# EAGLE board 14202-RedBoard-Panel (EAGLE 9.0.1), part 5 of 6 (continued)
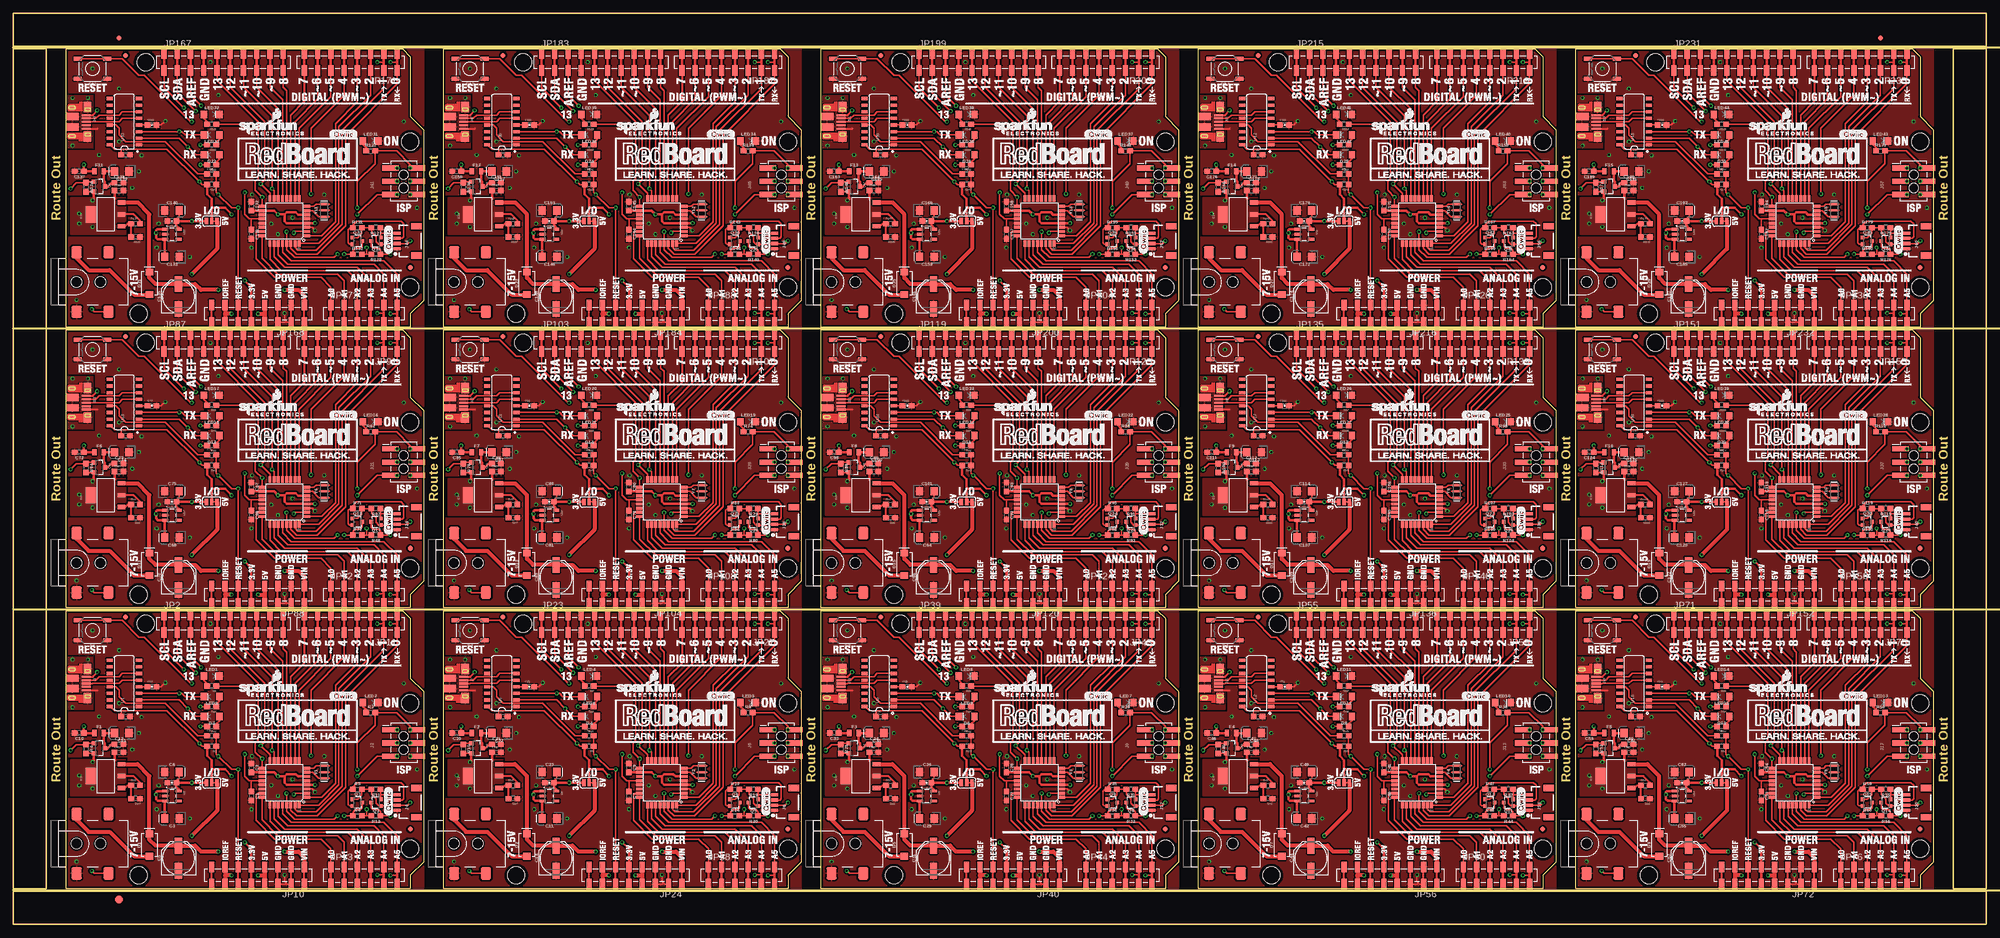
[diagram p0: board, top side]
## Tracks (layer width: path | path; a pad name or v marks a point on that pad's centre or on a via) (continued)
  Bottom 0.305: v214.63,111.51 213.36,110.24 179.07,110.24 175.26,106.43 175.26,100.08 176.66,98.68 v176.66,98.17
TX-O8  (via drill 0.38)
  Top 0.254: JP139.2A JP139.2B
  Top 0.305: U25.31 271.24,75.98 271.78,75.44 275.34,75.44 280.29,80.39 280.29,98.42 288.29,106.43 JP139.2B | v287.02,111.51 288.29,111.51 JP139.2A | LED27.C 250.19,97.54 249.56,98.17 v249.05,98.17 U27.3
  Bottom 0.305: v287.02,111.51 285.75,110.24 251.46,110.24 247.65,106.43 247.65,100.08 249.05,98.68 v249.05,98.17
TX-O9  (via drill 0.38)
  Top 0.254: JP155.2A JP155.2B
  Top 0.305: U28.31 343.63,75.98 344.17,75.44 347.73,75.44 352.68,80.39 352.68,98.42 360.68,106.43 JP155.2B | v359.41,111.51 360.68,111.51 JP155.2A | LED30.C 322.58,97.54 321.95,98.17 v321.44,98.17 U30.3
  Bottom 0.305: v359.41,111.51 358.14,110.24 323.85,110.24 320.04,106.43 320.04,100.08 321.44,98.68 v321.44,98.17
TX-O10  (via drill 0.38)
  Top 0.254: JP171.2A JP171.2B
  Top 0.305: U31.31 54.07,129.83 54.61,129.29 58.17,129.29 63.12,134.24 63.12,152.27 71.12,160.27 JP171.2B | v69.85,165.35 71.12,165.35 JP171.2A | LED33.C 33.02,151.38 32.39,152.02 v31.88,152.02 U33.3
  Bottom 0.305: v69.85,165.35 68.58,164.08 34.29,164.08 30.48,160.27 30.48,153.92 31.88,152.53 v31.88,152.02
TX-O11  (via drill 0.38)
  Top 0.254: JP187.2A JP187.2B
  Top 0.305: U34.31 126.46,129.83 127,129.29 130.56,129.29 135.51,134.24 135.51,152.27 143.51,160.27 JP187.2B | v142.24,165.35 143.51,165.35 JP187.2A | LED36.C 105.41,151.38 104.77,152.02 v104.27,152.02 U36.3
  Bottom 0.305: v142.24,165.35 140.97,164.08 106.68,164.08 102.87,160.27 102.87,153.92 104.27,152.53 v104.27,152.02
TX-O12  (via drill 0.38)
  Top 0.254: JP203.2A JP203.2B
  Top 0.305: U37.31 198.85,129.83 199.39,129.29 202.95,129.29 207.9,134.24 207.9,152.27 215.9,160.27 JP203.2B | v214.63,165.35 215.9,165.35 JP203.2A | LED39.C 177.8,151.38 177.16,152.02 v176.66,152.02 U39.3
  Bottom 0.305: v214.63,165.35 213.36,164.08 179.07,164.08 175.26,160.27 175.26,153.92 176.66,152.53 v176.66,152.02
TX-O13  (via drill 0.38)
  Top 0.254: JP219.2A JP219.2B
  Top 0.305: U40.31 271.24,129.83 271.78,129.29 275.34,129.29 280.29,134.24 280.29,152.27 288.29,160.27 JP219.2B | v287.02,165.35 288.29,165.35 JP219.2A | LED42.C 250.19,151.38 249.56,152.02 v249.05,152.02 U42.3
  Bottom 0.305: v287.02,165.35 285.75,164.08 251.46,164.08 247.65,160.27 247.65,153.92 249.05,152.53 v249.05,152.02
TX-O14  (via drill 0.38)
  Top 0.254: JP235.2A JP235.2B
  Top 0.305: U43.31 343.63,129.83 344.17,129.29 347.73,129.29 352.68,134.24 352.68,152.27 360.68,160.27 JP235.2B | v359.41,165.35 360.68,165.35 JP235.2A | LED45.C 322.58,151.38 321.95,152.02 v321.44,152.02 U45.3
  Bottom 0.305: v359.41,165.35 358.14,164.08 323.85,164.08 320.04,160.27 320.04,153.92 321.44,152.53 v321.44,152.02
USBVCC
  Top 0.508: C15.+ F1.2 17.41,34.91 17.61,34.71 Q1.3 18.16,33.78 18.92,34.54 C12.1
USBVCC1
  Top 0.508: C22.+ F2.2 89.8,34.91 90,34.71 Q4.3 90.55,33.78 91.31,34.54 C21.1
USBVCC2
  Top 0.508: C35.+ F3.2 162.19,34.91 162.39,34.71 Q7.3 162.94,33.78 163.7,34.54 C34.1
USBVCC3
  Top 0.508: C48.+ F4.2 234.58,34.91 234.78,34.71 Q10.3 235.33,33.78 236.09,34.54 C47.1
USBVCC4
  Top 0.508: C61.+ F5.2 306.97,34.91 307.17,34.71 Q13.3 307.72,33.78 308.48,34.54 C60.1
USBVCC5
  Top 0.508: C74.+ F6.2 17.41,88.76 17.61,88.56 Q16.3 18.16,87.63 18.92,88.39 C73.1
USBVCC6
  Top 0.508: C87.+ F7.2 89.8,88.76 90,88.56 Q19.3 90.55,87.63 91.31,88.39 C86.1
USBVCC7
  Top 0.508: C100.+ F8.2 162.19,88.76 162.39,88.56 Q22.3 162.94,87.63 163.7,88.39 C99.1
USBVCC8
  Top 0.508: C113.+ F9.2 234.58,88.76 234.78,88.56 Q25.3 235.33,87.63 236.09,88.39 C112.1
USBVCC9
  Top 0.508: C126.+ F10.2 306.97,88.76 307.17,88.56 Q28.3 307.72,87.63 308.48,88.39 C125.1
USBVCC10
  Top 0.508: C139.+ F11.2 17.41,142.61 17.61,142.41 Q31.3 18.16,141.48 18.92,142.24 C138.1
USBVCC11
  Top 0.508: C152.+ F12.2 89.8,142.61 90,142.41 Q34.3 90.55,141.48 91.31,142.24 C151.1
USBVCC12
  Top 0.508: C165.+ F13.2 162.19,142.61 162.39,142.41 Q37.3 162.94,141.48 163.7,142.24 C164.1
USBVCC13
  Top 0.508: C178.+ F14.2 234.58,142.61 234.78,142.41 Q40.3 235.33,141.48 236.09,142.24 C177.1
USBVCC14
  Top 0.508: C191.+ F15.2 306.97,142.61 307.17,142.41 Q43.3 307.72,141.48 308.48,142.24 C190.1
VCC  (via drill 0.38)
  Top 0.305: v66.04,29.72 66.04,34.8 69.43,38.19 R2.2 73.53,40.64 76.2,37.97 TP1.P$1 J2.2 | R3.2 36.32,34.16 v35.75,34.73 29.5,40.98 20.74,40.98 | R6.2 67.82,20.83 | 67.82,20.83 R13.2 | v67.82,22.1 67.82,20.83 | C18.1 20.74,40.98 | R12.2 v35.94,37.97 | R16.2 v35.94,41.78 | U1.16 18.67,41.78 19.47,40.98 20.74,40.98
  Top 0.508: U4.6 54.68,28.38 54.23,28.83 52.45,28.83 52.07,28.45 | C2.2 U4.18 50.07,29.18 v50.8,28.45 52.07,28.45 | v57.93,26.78 U4.4 52.47,26.78 52.07,27.18 52.07,28.45 | v41.91,28.45 40.64,29.72 38.1,29.72 | I/O.2 38.1,29.72 | R3.2 37.25,32.35 38.1,31.5 38.1,29.72
  Bottom 0.305: v57.93,26.78 63.1,26.78 v66.04,29.72 67.31,29.72 67.82,29.21 v67.82,22.1 | v35.94,41.78 v35.94,37.97 35.94,34.92 v35.75,34.73
  Bottom 0.508: v50.8,28.45 v41.91,28.45
  other vias: 76.2,37.34
VCC1  (via drill 0.38)
  Top 0.305: v138.43,29.72 138.43,34.8 141.82,38.19 R8.2 145.92,40.64 148.59,37.97 TP7.P$1 J5.2 | R9.2 108.71,34.16 v108.14,34.73 101.89,40.98 93.13,40.98 | R24.2 140.21,20.83 | 140.21,20.83 R20.2 | v140.21,22.1 140.21,20.83 | C26.1 93.13,40.98 | R21.2 v108.33,37.97 | R22.2 v108.33,41.78 | U6.16 91.06,41.78 91.86,40.98 93.13,40.98
  Top 0.508: U2.6 127.07,28.38 126.62,28.83 124.84,28.83 124.46,28.45 | C9.2 U2.18 122.46,29.18 v123.19,28.45 124.46,28.45 | v130.32,26.78 U2.4 124.86,26.78 124.46,27.18 124.46,28.45 | v114.3,28.45 113.03,29.72 110.49,29.72 | I/O1.2 110.49,29.72 | R9.2 109.64,32.35 110.49,31.5 110.49,29.72
  Bottom 0.305: v130.32,26.78 135.49,26.78 v138.43,29.72 139.7,29.72 140.21,29.21 v140.21,22.1 | v108.33,41.78 v108.33,37.97 108.33,34.92 v108.14,34.73
  Bottom 0.508: v123.19,28.45 v114.3,28.45
  other vias: 148.59,37.34
VCC2  (via drill 0.38)
  Top 0.305: v210.82,29.72 210.82,34.8 214.21,38.19 R26.2 218.31,40.64 220.98,37.97 TP13.P$1 J9.2 | R27.2 181.1,34.16 v180.53,34.73 174.28,40.98 165.52,40.98 | R36.2 212.6,20.83 | 212.6,20.83 R32.2 | v212.6,22.1 212.6,20.83 | C39.1 165.52,40.98 | R33.2 v180.72,37.97 | R34.2 v180.72,41.78 | U9.16 163.45,41.78 164.25,40.98 165.52,40.98
  Top 0.508: U7.6 199.46,28.38 199.01,28.83 197.23,28.83 196.85,28.45 | C28.2 U7.18 194.85,29.18 v195.58,28.45 196.85,28.45 | v202.71,26.78 U7.4 197.25,26.78 196.85,27.18 196.85,28.45 | v186.69,28.45 185.42,29.72 182.88,29.72 | I/O2.2 182.88,29.72 | R27.2 182.03,32.35 182.88,31.5 182.88,29.72
  Bottom 0.305: v202.71,26.78 207.88,26.78 v210.82,29.72 212.09,29.72 212.6,29.21 v212.6,22.1 | v180.72,41.78 v180.72,37.97 180.72,34.92 v180.53,34.73
  Bottom 0.508: v195.58,28.45 v186.69,28.45
  other vias: 220.98,37.34
VCC3  (via drill 0.38)
  Top 0.305: v283.21,29.72 283.21,34.8 286.6,38.19 R38.2 290.7,40.64 293.37,37.97 TP19.P$1 J13.2 | R39.2 253.49,34.16 v252.92,34.73 246.67,40.98 237.91,40.98 | R48.2 284.99,20.83 | 284.99,20.83 R44.2 | v284.99,22.1 284.99,20.83 | C52.1 237.91,40.98 | R45.2 v253.11,37.97 | R46.2 v253.11,41.78 | U12.16 235.84,41.78 236.64,40.98 237.91,40.98
  Top 0.508: U10.6 271.85,28.38 271.4,28.83 269.62,28.83 269.24,28.45 | C41.2 U10.18 267.24,29.18 v267.97,28.45 269.24,28.45 | v275.1,26.78 U10.4 269.64,26.78 269.24,27.18 269.24,28.45 | v259.08,28.45 257.81,29.72 255.27,29.72 | I/O3.2 255.27,29.72 | R39.2 254.42,32.35 255.27,31.5 255.27,29.72
  Bottom 0.305: v275.1,26.78 280.27,26.78 v283.21,29.72 284.48,29.72 284.99,29.21 v284.99,22.1 | v253.11,41.78 v253.11,37.97 253.11,34.92 v252.92,34.73
  Bottom 0.508: v267.97,28.45 v259.08,28.45
  other vias: 293.37,37.34
VCC4  (via drill 0.38)
  Top 0.305: v355.6,29.72 355.6,34.8 358.99,38.19 R50.2 363.09,40.64 365.76,37.97 TP25.P$1 J17.2 | R51.2 325.88,34.16 v325.31,34.73 319.06,40.98 310.3,40.98 | R60.2 357.38,20.83 | 357.38,20.83 R56.2 | v357.38,22.1 357.38,20.83 | C65.1 310.3,40.98 | R57.2 v325.5,37.97 | R58.2 v325.5,41.78 | U15.16 308.23,41.78 309.03,40.98 310.3,40.98
  Top 0.508: U13.6 344.24,28.38 343.79,28.83 342.01,28.83 341.63,28.45 | C54.2 U13.18 339.63,29.18 v340.36,28.45 341.63,28.45 | v347.49,26.78 U13.4 342.03,26.78 341.63,27.18 341.63,28.45 | v331.47,28.45 330.2,29.72 327.66,29.72 | I/O4.2 327.66,29.72 | R51.2 326.81,32.35 327.66,31.5 327.66,29.72
  Bottom 0.305: v347.49,26.78 352.66,26.78 v355.6,29.72 356.87,29.72 357.38,29.21 v357.38,22.1 | v325.5,41.78 v325.5,37.97 325.5,34.92 v325.31,34.73
  Bottom 0.508: v340.36,28.45 v331.47,28.45
  other vias: 365.76,37.34
VCC5  (via drill 0.38)
  Top 0.305: v66.04,83.57 66.04,88.65 69.43,92.04 R62.2 73.53,94.49 76.2,91.82 TP31.P$1 J21.2 | R63.2 36.32,88.01 v35.75,88.58 29.5,94.83 20.74,94.83 | R72.2 67.82,74.68 | 67.82,74.68 R68.2 | v67.82,75.95 67.82,74.68 | C78.1 20.74,94.83 | R69.2 v35.94,91.82 | R70.2 v35.94,95.63 | U18.16 18.67,95.63 19.47,94.83 20.74,94.83
  Top 0.508: U16.6 54.68,82.23 54.23,82.68 52.45,82.68 52.07,82.3 | C67.2 U16.18 50.07,83.03 v50.8,82.3 52.07,82.3 | v57.93,80.63 U16.4 52.47,80.63 52.07,81.03 52.07,82.3 | v41.91,82.3 40.64,83.57 38.1,83.57 | I/O5.2 38.1,83.57 | R63.2 37.25,86.19 38.1,85.34 38.1,83.57
  Bottom 0.305: v57.93,80.63 63.1,80.63 v66.04,83.57 67.31,83.57 67.82,83.06 v67.82,75.95 | v35.94,95.63 v35.94,91.82 35.94,88.77 v35.75,88.58
  Bottom 0.508: v50.8,82.3 v41.91,82.3
  other vias: 76.2,91.19
VCC6  (via drill 0.38)
  Top 0.305: v138.43,83.57 138.43,88.65 141.82,92.04 R74.2 145.92,94.49 148.59,91.82 TP37.P$1 J25.2 | R75.2 108.71,88.01 v108.14,88.58 101.89,94.83 93.13,94.83 | R84.2 140.21,74.68 | 140.21,74.68 R80.2 | v140.21,75.95 140.21,74.68 | C91.1 93.13,94.83 | R81.2 v108.33,91.82 | R82.2 v108.33,95.63 | U21.16 91.06,95.63 91.86,94.83 93.13,94.83
  Top 0.508: U19.6 127.07,82.23 126.62,82.68 124.84,82.68 124.46,82.3 | C80.2 U19.18 122.46,83.03 v123.19,82.3 124.46,82.3 | v130.32,80.63 U19.4 124.86,80.63 124.46,81.03 124.46,82.3 | v114.3,82.3 113.03,83.57 110.49,83.57 | I/O6.2 110.49,83.57 | R75.2 109.64,86.19 110.49,85.34 110.49,83.57
  Bottom 0.305: v130.32,80.63 135.49,80.63 v138.43,83.57 139.7,83.57 140.21,83.06 v140.21,75.95 | v108.33,95.63 v108.33,91.82 108.33,88.77 v108.14,88.58
  Bottom 0.508: v123.19,82.3 v114.3,82.3
  other vias: 148.59,91.19
VCC7  (via drill 0.38)
  Top 0.305: v210.82,83.57 210.82,88.65 214.21,92.04 R86.2 218.31,94.49 220.98,91.82 TP43.P$1 J29.2 | R87.2 181.1,88.01 v180.53,88.58 174.28,94.83 165.52,94.83 | R96.2 212.6,74.68 | 212.6,74.68 R92.2 | v212.6,75.95 212.6,74.68 | C104.1 165.52,94.83 | R93.2 v180.72,91.82 | R94.2 v180.72,95.63 | U24.16 163.45,95.63 164.25,94.83 165.52,94.83
  Top 0.508: U22.6 199.46,82.23 199.01,82.68 197.23,82.68 196.85,82.3 | C93.2 U22.18 194.85,83.03 v195.58,82.3 196.85,82.3 | v202.71,80.63 U22.4 197.25,80.63 196.85,81.03 196.85,82.3 | v186.69,82.3 185.42,83.57 182.88,83.57 | I/O7.2 182.88,83.57 | R87.2 182.03,86.19 182.88,85.34 182.88,83.57
  Bottom 0.305: v202.71,80.63 207.88,80.63 v210.82,83.57 212.09,83.57 212.6,83.06 v212.6,75.95 | v180.72,95.63 v180.72,91.82 180.72,88.77 v180.53,88.58
  Bottom 0.508: v195.58,82.3 v186.69,82.3
  other vias: 220.98,91.19
VCC8  (via drill 0.38)
  Top 0.305: v283.21,83.57 283.21,88.65 286.6,92.04 R98.2 290.7,94.49 293.37,91.82 TP49.P$1 J33.2 | R99.2 253.49,88.01 v252.92,88.58 246.67,94.83 237.91,94.83 | R108.2 284.99,74.68 | 284.99,74.68 R104.2 | v284.99,75.95 284.99,74.68 | C117.1 237.91,94.83 | R105.2 v253.11,91.82 | R106.2 v253.11,95.63 | U27.16 235.84,95.63 236.64,94.83 237.91,94.83
  Top 0.508: U25.6 271.85,82.23 271.4,82.68 269.62,82.68 269.24,82.3 | C106.2 U25.18 267.24,83.03 v267.97,82.3 269.24,82.3 | v275.1,80.63 U25.4 269.64,80.63 269.24,81.03 269.24,82.3 | v259.08,82.3 257.81,83.57 255.27,83.57 | I/O8.2 255.27,83.57 | R99.2 254.42,86.19 255.27,85.34 255.27,83.57
  Bottom 0.305: v275.1,80.63 280.27,80.63 v283.21,83.57 284.48,83.57 284.99,83.06 v284.99,75.95 | v253.11,95.63 v253.11,91.82 253.11,88.77 v252.92,88.58
  Bottom 0.508: v267.97,82.3 v259.08,82.3
  other vias: 293.37,91.19
VCC9  (via drill 0.38)
  Top 0.305: v355.6,83.57 355.6,88.65 358.99,92.04 R110.2 363.09,94.49 365.76,91.82 TP55.P$1 J37.2 | R111.2 325.88,88.01 v325.31,88.58 319.06,94.83 310.3,94.83 | R120.2 357.38,74.68 | 357.38,74.68 R116.2 | v357.38,75.95 357.38,74.68 | C130.1 310.3,94.83 | R117.2 v325.5,91.82 | R118.2 v325.5,95.63 | U30.16 308.23,95.63 309.03,94.83 310.3,94.83
  Top 0.508: U28.6 344.24,82.23 343.79,82.68 342.01,82.68 341.63,82.3 | C119.2 U28.18 339.63,83.03 v340.36,82.3 341.63,82.3 | v347.49,80.63 U28.4 342.03,80.63 341.63,81.03 341.63,82.3 | v331.47,82.3 330.2,83.57 327.66,83.57 | I/O9.2 327.66,83.57 | R111.2 326.81,86.19 327.66,85.34 327.66,83.57
  Bottom 0.305: v347.49,80.63 352.66,80.63 v355.6,83.57 356.87,83.57 357.38,83.06 v357.38,75.95 | v325.5,95.63 v325.5,91.82 325.5,88.77 v325.31,88.58
  Bottom 0.508: v340.36,82.3 v331.47,82.3
  other vias: 365.76,91.19
VCC10  (via drill 0.38)
  Top 0.305: v66.04,137.41 66.04,142.49 69.43,145.88 R122.2 73.53,148.34 76.2,145.67 TP61.P$1 J41.2 | R123.2 36.32,141.86 v35.75,142.43 29.5,148.68 20.74,148.68 | R132.2 67.82,128.52 | 67.82,128.52 R128.2 | v67.82,129.79 67.82,128.52 | C143.1 20.74,148.68 | R129.2 v35.94,145.67 | R130.2 v35.94,149.48 | U33.16 18.67,149.48 19.47,148.68 20.74,148.68
  Top 0.508: U31.6 54.68,136.07 54.23,136.53 52.45,136.53 52.07,136.14 | C132.2 U31.18 50.07,136.87 v50.8,136.14 52.07,136.14 | v57.93,134.47 U31.4 52.47,134.47 52.07,134.87 52.07,136.14 | v41.91,136.14 40.64,137.41 38.1,137.41 | I/O10.2 38.1,137.41 | R123.2 37.25,140.04 38.1,139.19 38.1,137.41
  Bottom 0.305: v57.93,134.47 63.1,134.47 v66.04,137.41 67.31,137.41 67.82,136.91 v67.82,129.79 | v35.94,149.48 v35.94,145.67 35.94,142.62 v35.75,142.43
  Bottom 0.508: v50.8,136.14 v41.91,136.14
  other vias: 76.2,145.03
VCC11  (via drill 0.38)
  Top 0.305: v138.43,137.41 138.43,142.49 141.82,145.88 R134.2 145.92,148.34 148.59,145.67 TP67.P$1 J45.2 | R135.2 108.71,141.86 v108.14,142.43 101.89,148.68 93.13,148.68 | R144.2 140.21,128.52 | 140.21,128.52 R140.2 | v140.21,129.79 140.21,128.52 | C156.1 93.13,148.68 | R141.2 v108.33,145.67 | R142.2 v108.33,149.48 | U36.16 91.06,149.48 91.86,148.68 93.13,148.68
  Top 0.508: U34.6 127.07,136.07 126.62,136.53 124.84,136.53 124.46,136.14 | C145.2 U34.18 122.46,136.87 v123.19,136.14 124.46,136.14 | v130.32,134.47 U34.4 124.86,134.47 124.46,134.87 124.46,136.14 | v114.3,136.14 113.03,137.41 110.49,137.41 | I/O11.2 110.49,137.41 | R135.2 109.64,140.04 110.49,139.19 110.49,137.41
  Bottom 0.305: v130.32,134.47 135.49,134.47 v138.43,137.41 139.7,137.41 140.21,136.91 v140.21,129.79 | v108.33,149.48 v108.33,145.67 108.33,142.62 v108.14,142.43
  Bottom 0.508: v123.19,136.14 v114.3,136.14
  other vias: 148.59,145.03
VCC12  (via drill 0.38)
  Top 0.305: v210.82,137.41 210.82,142.49 214.21,145.88 R146.2 218.31,148.34 220.98,145.67 TP73.P$1 J49.2 | R147.2 181.1,141.86 v180.53,142.43 174.28,148.68 165.52,148.68 | R156.2 212.6,128.52 | 212.6,128.52 R152.2 | v212.6,129.79 212.6,128.52 | C169.1 165.52,148.68 | R153.2 v180.72,145.67 | R154.2 v180.72,149.48 | U39.16 163.45,149.48 164.25,148.68 165.52,148.68
  Top 0.508: U37.6 199.46,136.07 199.01,136.53 197.23,136.53 196.85,136.14 | C158.2 U37.18 194.85,136.87 v195.58,136.14 196.85,136.14 | v202.71,134.47 U37.4 197.25,134.47 196.85,134.87 196.85,136.14 | v186.69,136.14 185.42,137.41 182.88,137.41 | I/O12.2 182.88,137.41 | R147.2 182.03,140.04 182.88,139.19 182.88,137.41
  Bottom 0.305: v202.71,134.47 207.88,134.47 v210.82,137.41 212.09,137.41 212.6,136.91 v212.6,129.79 | v180.72,149.48 v180.72,145.67 180.72,142.62 v180.53,142.43
  Bottom 0.508: v195.58,136.14 v186.69,136.14
  other vias: 220.98,145.03
VCC13  (via drill 0.38)
  Top 0.305: v283.21,137.41 283.21,142.49 286.6,145.88 R158.2 290.7,148.34 293.37,145.67 TP79.P$1 J53.2 | R159.2 253.49,141.86 v252.92,142.43 246.67,148.68 237.91,148.68 | R168.2 284.99,128.52 | 284.99,128.52 R164.2 | v284.99,129.79 284.99,128.52 | C182.1 237.91,148.68 | R165.2 v253.11,145.67 | R166.2 v253.11,149.48 | U42.16 235.84,149.48 236.64,148.68 237.91,148.68
  Top 0.508: U40.6 271.85,136.07 271.4,136.53 269.62,136.53 269.24,136.14 | C171.2 U40.18 267.24,136.87 v267.97,136.14 269.24,136.14 | v275.1,134.47 U40.4 269.64,134.47 269.24,134.87 269.24,136.14 | v259.08,136.14 257.81,137.41 255.27,137.41 | I/O13.2 255.27,137.41 | R159.2 254.42,140.04 255.27,139.19 255.27,137.41
  Bottom 0.305: v275.1,134.47 280.27,134.47 v283.21,137.41 284.48,137.41 284.99,136.91 v284.99,129.79 | v253.11,149.48 v253.11,145.67 253.11,142.62 v252.92,142.43
  Bottom 0.508: v267.97,136.14 v259.08,136.14
  other vias: 293.37,145.03
VCC14  (via drill 0.38)
  Top 0.305: v355.6,137.41 355.6,142.49 358.99,145.88 R170.2 363.09,148.34 365.76,145.67 TP85.P$1 J57.2 | R171.2 325.88,141.86 v325.31,142.43 319.06,148.68 310.3,148.68 | R180.2 357.38,128.52 | 357.38,128.52 R176.2 | v357.38,129.79 357.38,128.52 | C195.1 310.3,148.68 | R177.2 v325.5,145.67 | R178.2 v325.5,149.48 | U45.16 308.23,149.48 309.03,148.68 310.3,148.68
  Top 0.508: U43.6 344.24,136.07 343.79,136.53 342.01,136.53 341.63,136.14 | C184.2 U43.18 339.63,136.87 v340.36,136.14 341.63,136.14 | v347.49,134.47 U43.4 342.03,134.47 341.63,134.87 341.63,136.14 | v331.47,136.14 330.2,137.41 327.66,137.41 | I/O14.2 327.66,137.41 | R171.2 326.81,140.04 327.66,139.19 327.66,137.41
  Bottom 0.305: v347.49,134.47 352.66,134.47 v355.6,137.41 356.87,137.41 357.38,136.91 v357.38,129.79 | v325.5,149.48 v325.5,145.67 325.5,142.62 v325.31,142.43
  Bottom 0.508: v340.36,136.14 v331.47,136.14
  other vias: 365.76,145.03
VIN  (via drill 0.38)
  Top 0.305: JP10.1 55.88,11.05
  Top 0.762: v39.36,13.96 36.06,13.96 34.92,15.1 C5.+ 27.32,15.1 26.16,16.26 D1.C 26.16,28.45 23.88,30.74 IC3.3
  Top 0.813: v52.06,13.96 54.75,13.96 55.88,12.83 55.88,11.05
  Bottom 0.813: v39.36,13.96 v52.06,13.96
VIN1  (via drill 0.38)
  Top 0.305: JP24.1 128.27,11.05
  Top 0.762: v111.75,13.96 108.45,13.96 107.31,15.1 C14.+ 99.71,15.1 98.55,16.26 D2.C 98.55,28.45 96.27,30.74 IC1.3
  Top 0.813: v124.45,13.96 127.14,13.96 128.27,12.83 128.27,11.05
  Bottom 0.813: v111.75,13.96 v124.45,13.96
VIN2  (via drill 0.38)
  Top 0.305: JP40.1 200.66,11.05
  Top 0.762: v184.14,13.96 180.84,13.96 179.7,15.1 C31.+ 172.1,15.1 170.94,16.26 D5.C 170.94,28.45 168.66,30.74 IC2.3
  Top 0.813: v196.84,13.96 199.53,13.96 200.66,12.83 200.66,11.05
  Bottom 0.813: v184.14,13.96 v196.84,13.96
VIN3  (via drill 0.38)
  Top 0.305: JP56.1 273.05,11.05
  Top 0.762: v256.53,13.96 253.23,13.96 252.09,15.1 C44.+ 244.49,15.1 243.33,16.26 D7.C 243.33,28.45 241.05,30.74 IC4.3
  Top 0.813: v269.23,13.96 271.92,13.96 273.05,12.83 273.05,11.05
  Bottom 0.813: v256.53,13.96 v269.23,13.96
VIN4  (via drill 0.38)
  Top 0.305: JP72.1 345.44,11.05
  Top 0.762: v328.92,13.96 325.62,13.96 324.48,15.1 C57.+ 316.88,15.1 315.72,16.26 D9.C 315.72,28.45 313.44,30.74 IC5.3
  Top 0.813: v341.62,13.96 344.31,13.96 345.44,12.83 345.44,11.05
  Bottom 0.813: v328.92,13.96 v341.62,13.96
VIN5  (via drill 0.38)
  Top 0.305: JP88.1 55.88,64.9
  Top 0.762: v39.36,67.81 36.06,67.81 34.92,68.95 C70.+ 27.32,68.95 26.16,70.1 D11.C 26.16,82.3 23.88,84.59 IC6.3
  Top 0.813: v52.06,67.81 54.75,67.81 55.88,66.67 55.88,64.9
  Bottom 0.813: v39.36,67.81 v52.06,67.81
VIN6  (via drill 0.38)
  Top 0.305: JP104.1 128.27,64.9
  Top 0.762: v111.75,67.81 108.45,67.81 107.31,68.95 C83.+ 99.71,68.95 98.55,70.1 D13.C 98.55,82.3 96.27,84.59 IC7.3
  Top 0.813: v124.45,67.81 127.14,67.81 128.27,66.67 128.27,64.9
  Bottom 0.813: v111.75,67.81 v124.45,67.81
VIN7  (via drill 0.38)
  Top 0.305: JP120.1 200.66,64.9
  Top 0.762: v184.14,67.81 180.84,67.81 179.7,68.95 C96.+ 172.1,68.95 170.94,70.1 D15.C 170.94,82.3 168.66,84.59 IC8.3
  Top 0.813: v196.84,67.81 199.53,67.81 200.66,66.67 200.66,64.9
  Bottom 0.813: v184.14,67.81 v196.84,67.81
VIN8  (via drill 0.38)
  Top 0.305: JP136.1 273.05,64.9
  Top 0.762: v256.53,67.81 253.23,67.81 252.09,68.95 C109.+ 244.49,68.95 243.33,70.1 D17.C 243.33,82.3 241.05,84.59 IC9.3
  Top 0.813: v269.23,67.81 271.92,67.81 273.05,66.67 273.05,64.9
  Bottom 0.813: v256.53,67.81 v269.23,67.81
VIN9  (via drill 0.38)
  Top 0.305: JP152.1 345.44,64.9
  Top 0.762: v328.92,67.81 325.62,67.81 324.48,68.95 C122.+ 316.88,68.95 315.72,70.1 D19.C 315.72,82.3 313.44,84.59 IC10.3
  Top 0.813: v341.62,67.81 344.31,67.81 345.44,66.67 345.44,64.9
  Bottom 0.813: v328.92,67.81 v341.62,67.81
VIN10  (via drill 0.38)
  Top 0.305: JP168.1 55.88,118.74
  Top 0.762: v39.36,121.65 36.06,121.65 34.92,122.8 C135.+ 27.32,122.8 26.16,123.95 D21.C 26.16,136.15 23.88,138.43 IC11.3
  Top 0.813: v52.06,121.65 54.75,121.65 55.88,120.52 55.88,118.74
  Bottom 0.813: v39.36,121.65 v52.06,121.65
VIN11  (via drill 0.38)
  Top 0.305: JP184.1 128.27,118.74
  Top 0.762: v111.75,121.65 108.45,121.65 107.31,122.8 C148.+ 99.71,122.8 98.55,123.95 D23.C 98.55,136.15 96.27,138.43 IC12.3
  Top 0.813: v124.45,121.65 127.14,121.65 128.27,120.52 128.27,118.74
  Bottom 0.813: v111.75,121.65 v124.45,121.65
VIN12  (via drill 0.38)
  Top 0.305: JP200.1 200.66,118.74
  Top 0.762: v184.14,121.65 180.84,121.65 179.7,122.8 C161.+ 172.1,122.8 170.94,123.95 D25.C 170.94,136.15 168.66,138.43 IC13.3
  Top 0.813: v196.84,121.65 199.53,121.65 200.66,120.52 200.66,118.74
  Bottom 0.813: v184.14,121.65 v196.84,121.65
VIN13  (via drill 0.38)
  Top 0.305: JP216.1 273.05,118.74
  Top 0.762: v256.53,121.65 253.23,121.65 252.09,122.8 C174.+ 244.49,122.8 243.33,123.95 D27.C 243.33,136.15 241.05,138.43 IC14.3
  Top 0.813: v269.23,121.65 271.92,121.65 273.05,120.52 273.05,118.74
  Bottom 0.813: v256.53,121.65 v269.23,121.65
VIN14  (via drill 0.38)
  Top 0.305: JP232.1 345.44,118.74
  Top 0.762: v328.92,121.65 325.62,121.65 324.48,122.8 C187.+ 316.88,122.8 315.72,123.95 D29.C 315.72,136.15 313.44,138.43 IC15.3
  Top 0.813: v341.62,121.65 344.31,121.65 345.44,120.52 345.44,118.74
  Bottom 0.813: v328.92,121.65 v341.62,121.65
VUSB  (via drill 0.38)
  Top 0.381: J1.VBUS 15.24,47.5
  Top 0.508: 15.24,47.5 v16.13,48.39 | F1.1 C10.1 13.59,36.74 v13.59,37.97
  Bottom 0.508: v13.59,37.97 13.59,39.88 14.1,40.39 15.37,40.39 15.88,40.89 15.88,48.13 v16.13,48.39
VUSB1  (via drill 0.38)
  Top 0.381: J7.VBUS 87.63,47.5
  Top 0.508: 87.63,47.5 v88.52,48.39 | F2.1 C20.1 85.98,36.74 v85.98,37.97
  Bottom 0.508: v85.98,37.97 85.98,39.88 86.49,40.39 87.76,40.39 88.27,40.89 88.27,48.13 v88.52,48.39
VUSB2  (via drill 0.38)
  Top 0.381: J11.VBUS 160.02,47.5
  Top 0.508: 160.02,47.5 v160.91,48.39 | F3.1 C33.1 158.37,36.74 v158.37,37.97
  Bottom 0.508: v158.37,37.97 158.37,39.88 158.88,40.39 160.15,40.39 160.66,40.89 160.66,48.13 v160.91,48.39
VUSB3  (via drill 0.38)
  Top 0.381: J15.VBUS 232.41,47.5
  Top 0.508: 232.41,47.5 v233.3,48.39 | F4.1 C46.1 230.76,36.74 v230.76,37.97
  Bottom 0.508: v230.76,37.97 230.76,39.88 231.27,40.39 232.54,40.39 233.04,40.89 233.04,48.13 v233.3,48.39
VUSB4  (via drill 0.38)
  Top 0.381: J19.VBUS 304.8,47.5
  Top 0.508: 304.8,47.5 v305.69,48.39 | F5.1 C59.1 303.15,36.74 v303.15,37.97
  Bottom 0.508: v303.15,37.97 303.15,39.88 303.66,40.39 304.93,40.39 305.44,40.89 305.44,48.13 v305.69,48.39
VUSB5  (via drill 0.38)
  Top 0.381: J23.VBUS 15.24,101.34
  Top 0.508: 15.24,101.34 v16.13,102.23 | F6.1 C72.1 13.59,90.59 v13.59,91.82
  Bottom 0.508: v13.59,91.82 13.59,93.73 14.1,94.23 15.37,94.23 15.88,94.74 15.88,101.98 v16.13,102.23
VUSB6  (via drill 0.38)
  Top 0.381: J27.VBUS 87.63,101.34
  Top 0.508: 87.63,101.34 v88.52,102.23 | F7.1 C85.1 85.98,90.59 v85.98,91.82
  Bottom 0.508: v85.98,91.82 85.98,93.73 86.49,94.23 87.76,94.23 88.27,94.74 88.27,101.98 v88.52,102.23
VUSB7  (via drill 0.38)
  Top 0.381: J31.VBUS 160.02,101.34
  Top 0.508: 160.02,101.34 v160.91,102.23 | F8.1 C98.1 158.37,90.59 v158.37,91.82
  Bottom 0.508: v158.37,91.82 158.37,93.73 158.88,94.23 160.15,94.23 160.66,94.74 160.66,101.98 v160.91,102.23
VUSB8  (via drill 0.38)
  Top 0.381: J35.VBUS 232.41,101.34
  Top 0.508: 232.41,101.34 v233.3,102.23 | F9.1 C111.1 230.76,90.59 v230.76,91.82
  Bottom 0.508: v230.76,91.82 230.76,93.73 231.27,94.23 232.54,94.23 233.04,94.74 233.04,101.98 v233.3,102.23
VUSB9  (via drill 0.38)
  Top 0.381: J39.VBUS 304.8,101.34
  Top 0.508: 304.8,101.34 v305.69,102.23 | F10.1 C124.1 303.15,90.59 v303.15,91.82
  Bottom 0.508: v303.15,91.82 303.15,93.73 303.66,94.23 304.93,94.23 305.44,94.74 305.44,101.98 v305.69,102.23
VUSB10  (via drill 0.38)
  Top 0.381: J43.VBUS 15.24,155.19
  Top 0.508: 15.24,155.19 v16.13,156.08 | F11.1 C137.1 13.59,144.44 v13.59,145.67
  Bottom 0.508: v13.59,145.67 13.59,147.57 14.1,148.08 15.37,148.08 15.88,148.59 15.88,155.83 v16.13,156.08
VUSB11  (via drill 0.38)
  Top 0.381: J47.VBUS 87.63,155.19
  Top 0.508: 87.63,155.19 v88.52,156.08 | F12.1 C150.1 85.98,144.44 v85.98,145.67
  Bottom 0.508: v85.98,145.67 85.98,147.57 86.49,148.08 87.76,148.08 88.27,148.59 88.27,155.83 v88.52,156.08
VUSB12  (via drill 0.38)
  Top 0.381: J51.VBUS 160.02,155.19
  Top 0.508: 160.02,155.19 v160.91,156.08 | F13.1 C163.1 158.37,144.44 v158.37,145.67